# Allegro board SG2042_EVB_V2_0.brd (continued)
## Placement (name value [footprint] x y rotation side) (continued)
NOREF  -  []  -2 0 90 top
NOREF#2  -  []  -7 2.54 0 top
NOREF#3  -  [unnamed#2]  202.68 115.64 0 top
NOREF#4  -  []  249.65 304.41 0 top
NOREF#5  -  [unnamed#2]  161.66 96.61 0 top
NOREF#6  -  [unnamed#2]  173.08 86.04 0 top
NOREF#7  -  [unnamed#3]  -3.49 296.8 0 top
NOREF#8  -  [unnamed#2]  -4.5 299.8 0 top
NOREF#9  -  []  140.59 123.83 0 top
NOREF#10  -  [unnamed#3]  -3.49 8 0 top
NOREF#11  -  [unnamed#2]  248.34 294.8 0 top
NOREF#12  -  [unnamed#2]  153.25 297.77 0 top
NOREF#13  -  [unnamed#2]  -4.5 5 0 top
NOREF#14  -  [unnamed#2]  248.34 10 0 top
NOREF#15  -  []  37.97 7.11 0 top
NOREF#16  -  [unnamed#2]  132.06 67.01 0 top
NOREF#17  -  []  0 3 0 top
NOREF#18  -  []  155.83 123.83 0 top
NOREF#19  -  []  171.07 123.83 0 top
NOREF#20  -  [unnamed#3]  247.33 13 0 top
NOREF#21  -  [unnamed#2]  80.25 297.77 0 top
NOREF#22  -  [unnamed#3]  247.33 291.8 0 top
NOREF#23  -  [unnamed#3]  247.33 291.8 180 bottom
NOREF#24  -  [unnamed#3]  -3.49 296.8 180 bottom
NOREF#25  -  [unnamed#3]  247.33 13 180 bottom
NOREF#26  -  [unnamed#3]  -3.49 8 180 bottom
P_DDR_VDD_0V8  30MIL NC  [TP30]  106.4 163.7 0 top
P_VDDC  30MIL NC  [TP30]  119.18 271.78 0 top
Q403  T2N7002AK  [SOT23-3-H10]  110.95 37.69 0 top
Q501  S9013  [SOT-23]  46.46 298.04 90 top
Q2008  T2N7002AK_NC  [SOT23-3-H10]  108.76 40.23 180 top
Q2009  T2N7002AK  [SOT23-3-H10]  134.34 47.07 180 top
Q2010  T2N7002AK  [SOT23-3-H10]  129.44 50.98 0 top
Q2018  T2N7002AK  [SOT23-3-H10]  118.44 14.4 0 top
Q2020  T2N7002AK  [SOT23-3-H10]  121.84 14.4 0 top
Q2022  T2N7002AK  [SOT23-3-H10]  125.25 14.4 0 top
Q2024  T2N7002AK  [SOT23-3-H10]  128.65 14.4 0 top
Q2025  T2N7002AK  [SOT23-3-H10]  115.04 13.54 180 top
Q2026  T2N7002AK  [SOT23-3-H10]  108.23 13.54 180 top
Q2027  T2N7002AK  [SOT23-3-H10]  111.63 13.54 180 top
Q2028  T2N7002AK  [SOT23-3-H10]  104.83 13.54 180 top
Q2029  T2N7002AK  [SOT23-3-H10]  226.92 293.09 0 top
Q2030  T2N7002AK  [SOT23-3-H10]  223.52 292.23 180 top
Q2031  T2N7002AK  [SOT23-3-H10]  204.19 15.09 180 top
Q2032  T2N7002AK  [SOT23-3-H10]  207.59 15.95 0 top
Q2033  T2N7002AK  [SOT23-3-H10]  182.4 15.09 180 top
Q2034  T2N7002AK  [SOT23-3-H10]  185.8 15.95 0 top
Q2035  T2N7002AK  [SOT23-3-H10]  46.28 139.95 0 top
Q2036  T2N7002AK  [SOT23-3-H10]  42.88 139.09 180 top
R1  1K_1%  [R0402]  184.33 213.61 0 top
R2  1K_1%  [R0402]  183.95 199.82 270 top
R3  1K_1%  [R0402]  184.33 162.46 0 top
R4  1K_1%  [R0402]  184.33 163.32 0 top
R5  1K_1%  [R0402]  184.33 214.48 0 top
R6  1K_1%  [R0402]  174.75 199.82 270 top
R7  1K_1%  [R0402]  184.33 164.19 0 top
R8  1K_1%  [R0402]  184.33 165.05 0 top
R9  1K_1%  [R0402]  49.17 213.61 180 top
R10  1K_1%  [R0402]  49.56 199.82 270 top
R11  1K_1%  [R0402]  49.17 161.06 180 top
R12  1K_1%  [R0402]  49.17 161.93 180 top
R13  1K_1%  [R0402]  49.17 214.48 180 top
R14  1K_1%  [R0402]  58.78 199.82 270 top
R15  1K_1%  [R0402]  49.17 163.86 180 top
R16  1K_1%  [R0402]  49.17 164.72 180 top
R17  3.01K_1%  [R0402]  149.68 286.54 90 top
R18  3.01K_1%  [R0402]  148.82 286.54 90 top
R19  1K_1%  [R0402]  200.81 246.25 90 top
R20  1K_1%  [R0402]  200.81 242.52 90 top
R21  1K_1%  [R0402]  200.81 244.55 270 top
R22  1K_1%  [R0402]  200.81 248.28 270 top
R23  1K_1%  [R0402]  194.03 276.94 0 top
R24  1K_1%  [R0402]  194.03 280.39 0 top
R25  10K_1%  [R0402]  199.95 242.52 270 top
R26  10K_1%  [R0402]  199.95 246.25 270 top
R27  10K_1%  [R0402]  199.95 244.55 90 top
R28  10K_1%  [R0402]  199.95 248.28 90 top
R29  10K_1%  [R0402]  194.03 277.8 180 top
R30  10K_1%  [R0402]  194.03 281.25 180 top
R31  47K_1%  [R0402]  221.56 274.4 270 bottom
R32  47K_1%  [R0402]  220.7 274.4 270 bottom
R33  47K_1%  [R0402]  219.84 274.4 270 bottom
R34  47K_1%  [R0402]  222.43 274.4 270 bottom
R36  22  [R0402]  209.78 275.44 180 top
R38  4.7K_1%  [R0402]  211.48 279.76 0 top
R39  4.7K_1%  [R0402]  211.48 283.21 0 top
R40  10K_1%  [R0402]  220.34 279.76 180 bottom
R41  4.7K_1%  [R0402]  17.14 287.15 180 top
R42  47K_1%  [R0402]  221.72 276.89 0 bottom
R45  0R_1% NC  [R0402]  20.75 280.64 0 top
R46  22  [R0402]  17.14 282.68 0 top
R47  22  [R0402]  17.14 279.5 0 top
R48  10K_1%  [R0402]  18.77 279.1 90 top
R49  22  [R0402]  17.14 283.79 0 top
R50  22  [R0402]  17.14 284.91 0 top
R51  22  [R0402]  17.14 278.38 0 top
R52  0R_1%  [R0402]  22.86 277.67 90 top
R53  22  [R0402]  17.14 277.27 0 top
R54  22  [R0402]  17.14 286.03 0 top
R55  10K_1%  [R0402]  22.86 279.37 270 top
R58  2.49K  [R0402]  27.79 271.83 270 top
R61  22  [R0402]  34.54 268.63 0 top
R62  22  [R0402]  34.54 267.77 0 top
R63  22  [R0402]  34.54 266.9 0 top
R65  22  [R0402]  34.54 266.04 0 top
R66  22  [R0402]  34.54 265.18 0 top
R67  22  [R0402]  34.54 264.31 0 top
R68  22  [R0402]  28.83 263.3 90 top
R69  4.7K_1%  [R0402]  29.39 265.02 0 bottom
R70  4.7K_1%_NC  [R0402]  30.15 269.7 90 bottom
R71  4.7K_1%  [R0402]  29.51 271.4 180 bottom
R72  4.7K_1%_NC  [R0402]  36.58 264.31 180 top
R73  4.7K_1%  [R0402]  34.54 264.31 180 bottom
R74  4.7K_1%  [R0402]  36.58 268.63 180 top
R75  4.7K_1%_NC  [R0402]  34.54 268.63 180 bottom
R76  4.7K_1%  [R0402]  36.58 267.77 180 top
R77  4.7K_1%_NC  [R0402]  34.54 267.77 180 bottom
R78  4.7K_1%  [R0402]  36.58 266.9 180 top
R79  4.7K_1%_NC  [R0402]  34.54 266.9 180 bottom
R80  4.7K_1%_NC  [R0402]  36.58 266.04 180 top
R81  4.7K_1%  [R0402]  34.54 266.04 180 bottom
R82  4.7K_1%  [R0402]  36.58 265.18 180 top
R83  4.7K_1%_NC  [R0402]  34.54 265.18 180 bottom
R84  4.7K_1%  [R0402]  31.45 271.83 270 top
R85  4.7K_1%  [R0402]  31.62 271.4 180 bottom
R87  1K_1%  [R0402]  27.91 247.47 90 top
R88  0R_1%  [R0402]  27.05 247.47 90 top
R89  1K_1%  [R0402]  4.09 267.49 90 top
R90  0R_1%  [R0402]  4.95 267.49 90 top
R91  75R  [R0402]  9.96 249.5 270 bottom
R92  75R  [R0402]  13.77 249.5 270 bottom
R93  75R  [R0402]  17.58 249.5 270 bottom
R94  75R  [R0402]  21.39 249.5 270 bottom
R95  0R_1%  [R0402]  28.93 271.83 90 top
R98  4.7K_1%  [R0402]  230.96 277.95 90 top
R99  4.7K_1%  [R0402]  230.96 275.87 90 top
R100  4.7K_1%  [R0402]  230.96 273.79 90 top
R101  4.7K_1%  [R0402]  230.96 266.88 90 top
R104  1K_1%  [R0402]  41.43 276.94 180 top
R105  0R_1%  [R0402]  230.96 280.04 270 top
R106  1K_1%_NC  [R0402]  41.43 278.66 180 top
R107  4.7K_1%  [R0402]  112.8 266.45 0 top
R108  1K_1%  [R0402]  44.63 276.94 180 top
R109  1K_1%_NC  [R0402]  41.43 280.39 180 top
R110  1K_1%_NC  [R0402]  197.28 276.94 0 top
R111  1K_1%  [R0402]  41.43 282.12 180 top
R112  1K_1%  [R0402]  44.63 280.39 180 top
R113  1K_1%  [R0402]  44.63 282.12 180 top
R114  1K_1%_NC  [R0402]  197.28 280.39 0 top
R115  1K_1%  [R0402]  194.03 278.66 0 top
R116  1K_1%  [R0402]  44.63 278.66 180 top
R117  1K_1%_NC  [R0402]  187.53 278.66 0 top
R118  0R_1% NC  [R0402]  231.83 269.21 270 top
R119  10K_1%  [R0402]  41.43 277.8 0 top
R120  10K_1%  [R0402]  44.63 281.25 0 top
R121  10K_1%  [R0402]  44.63 277.8 0 top
R122  10K_1%  [R0402]  41.43 282.98 0 top
R123  10K_1%  [R0402]  44.63 282.98 0 top
R124  22  [R0402]  114.76 259.51 270 top
R125  10K_1%  [R0402]  44.63 279.53 0 top
R126  10K_1%  [R0402]  41.43 281.25 0 top
R127  10K_1%  [R0402]  41.43 279.53 0 top
R128  10K_1%  [R0402]  197.28 277.8 180 top
R129  10K_1%  [R0402]  194.03 279.53 180 top
R130  10K_1%  [R0402]  197.28 281.25 180 top
R131  10K_1%  [R0402]  187.53 279.53 180 top
R132  22  [R0402]  37.41 279.53 0 top
R133  4.7K_1% NC  [R0402]  230.1 277.95 270 top
R134  22  [R0402]  37.41 278.66 0 top
R135  22  [R0402]  44.7 286.49 0 top
R136  4.7K_1% NC  [R0402]  230.96 271.5 270 top
R137  22  [R0402]  37.41 277.8 0 top
R138  4.7K_1% NC  [R0402]  230.96 269.21 270 top
R139  4.7K_1%  [R0402]  108.18 266.45 0 top
R141  22  [R0402]  47.68 250.22 180 top
R142  22  [R0402]  47.68 260.38 180 top
R143  1K_1%_NC  [R0402]  187.53 276.94 0 top
R144  22  [R0402]  110.13 259.51 270 top
R145  22  [R0402]  47.68 254.28 180 top
R147  1K_1%_NC  [R0402]  187.53 280.39 0 top
R148  22  [R0402]  47.68 258.34 180 top
R150  1K_1%_NC  [R0402]  190.78 276.94 0 top
R151  22  [R0402]  47.68 252.25 180 top
R153  1K_1%_NC  [R0402]  190.78 280.39 0 top
R154  22  [R0402]  47.68 256.31 180 top
R156  1K_1%_NC  [R0402]  197.28 278.66 0 top
R159  22  [R0402]  230.96 264.59 270 top
R160  22  [R0402]  229.24 277.95 270 top
R161  4.7K_1%  [R0402]  125.02 266.45 0 top
R162  22  [R0402]  230.1 271.5 270 top
R163  22  [R0402]  230.1 275.87 270 top
R167  10K_1%  [R0402]  187.53 277.8 180 top
R168  10K_1%  [R0402]  187.53 281.25 180 top
R169  10K_1%  [R0402]  190.78 277.8 180 top
R170  10K_1%  [R0402]  190.78 281.25 180 top
R171  10K_1%  [R0402]  197.28 279.53 180 top
R172  22  [R0402]  230.1 266.88 270 top
R173  22  [R0402]  135.25 23.42 180 top
R174  22  [R0402]  47.68 263.42 180 top
R180  22  [R0402]  230.1 273.79 270 top
R184  22  [R0402]  47.68 273.58 180 top
R185  22  [R0402]  47.68 267.49 180 top
R186  22  [R0402]  126.03 259.89 180 top
R188  22  [R0402]  47.68 271.55 180 top
R189  22  [R0402]  135.25 24.28 180 top
R190  22  [R0402]  47.68 265.46 180 top
R191  22  [R0402]  47.68 269.52 180 top
R196  4.7K_1%  [R0402]  42.98 257.53 90 bottom
R197  4.7K_1%  [R0402]  42.11 257.53 90 bottom
R198  4.7K_1%  [R0402]  41.25 257.53 90 bottom
R199  4.7K_1%  [R0402]  40.39 257.53 90 bottom
R200  4.7K_1%  [R0402]  39.52 257.53 90 bottom
R201  4.7K_1%  [R0402]  38.66 257.53 90 bottom
R202  4.7K_1%  [R0402]  37.8 257.53 90 bottom
R205  22  [R0402]  222.05 132.97 90 top
R206  22  [R0402]  221.18 132.97 90 top
R207  22  [R0402]  200.33 262.25 180 top
R208  4.7K_1%  [R0402]  36.93 257.53 90 bottom
R209  22  [R0402]  200.33 264.8 180 top
R210  22  [R0402]  200.33 267.33 180 top
R211  22  [R0402]  200.33 269.88 180 top
R212  22  [R0402]  200.33 272.42 180 top
R215  22  [R0402]  200.33 249.56 180 top
R216  22  [R0402]  218.59 132.97 90 top
R217  22  [R0402]  200.33 252.09 180 top
R218  22  [R0402]  217.73 132.97 90 top
R219  22  [R0402]  200.33 254.63 180 top
R220  22  [R0402]  200.33 257.18 180 top
R221  22  [R0402]  223.77 114.48 90 top
R222  22  [R0402]  200.33 259.71 180 top
R223  22  [R0402]  222.91 114.48 90 top
R224  22  [R0402]  222.05 114.48 90 top
R225  22  [R0402]  200.96 233.81 180 top
R230  22  [R0402]  221.18 114.48 90 top
R231  22  [R0402]  200.96 234.67 180 top
R232  22  [R0402]  200.96 235.53 180 top
R233  22  [R0402]  220.32 114.48 90 top
R234  22  [R0402]  200.96 236.4 180 top
R235  10K_1%  [R0402]  197.1 181.74 0 top
R236  22  [R0402]  219.46 114.48 90 top
R237  22  [R0402]  200.96 237.26 180 top
R238  22  [R0402]  218.59 114.48 90 top
R239  22  [R0402]  200.96 238.12 180 top
R240  22  [R0402]  217.73 114.48 90 top
R241  22  [R0402]  200.96 238.99 180 top
R242  22  [R0402]  200.96 239.85 180 top
R243  22  [R0402]  42.98 257.53 90 top
R244  22  [R0402]  206.53 234.34 90 top
R246  22  [R0402]  42.11 257.53 90 top
R247  22  [R0402]  41.25 257.53 90 top
R248  22  [R0402]  40.39 257.53 90 top
R249  22  [R0402]  39.52 257.53 90 top
R252  22  [R0402]  38.66 257.53 90 top
R254  22  [R0402]  37.8 257.53 90 top
R255  22  [R0402]  36.93 257.53 90 top
R257  0R_1%  [R0402]  115.24 171.83 90 top
R258  10K_1%  [R0402]  115.24 173.53 270 top
R266  22  [R0402]  114 106.76 0 top
R267  22  [R0402]  114 107.62 0 top
R268  22  [R0402]  114 108.74 0 top
R269  22  [R0402]  114 109.6 0 top
R270  22  [R0402]  114 110.72 0 top
R271  22  [R0402]  114 111.58 0 top
R272  4.7K_1% NC  [R0402]  105.61 96.67 0 top
R274  22  [R0402]  114 112.7 0 top
R275  22  [R0402]  114 113.56 0 top
R276  4.7K_1%  [R0402]  103.58 96.67 0 top
R277  0R_1%  [R0402]  107.98 104.55 0 top
R278  0R_1%  [R0402]  106.27 104.55 180 top
R280  22  [R0402]  102.26 108.74 180 top
R281  22  [R0402]  102.26 109.6 180 top
R282  22  [R0402]  102.26 106.76 180 top
R283  22  [R0402]  102.26 107.62 180 top
R284  22  [R0402]  102.26 110.72 180 top
R285  22  [R0402]  102.26 111.58 180 top
R286  49.9R_1%  [R0402]  99.85 111.58 180 top
R287  49.9R_1%  [R0402]  99.85 110.72 180 top
R288  49.9R_1%  [R0402]  60.96 87.48 0 top
R289  49.9R_1%  [R0402]  59.26 87.48 180 top
R290  49.9R_1%  [R0402]  60.96 128.12 0 top
R291  49.9R_1%  [R0402]  59.26 128.12 180 top
R292  49.9R_1%  [R0402]  116.08 114.38 90 top
R293  49.9R_1%  [R0402]  116.08 112.67 270 top
R294  49.9R_1%  [R0402]  117.5 111.71 90 top
R295  49.9R_1%  [R0402]  117.5 110.01 270 top
R296  49.9R_1%  [R0402]  116.2 109.6 0 top
R297  49.9R_1%  [R0402]  116.2 108.74 0 top
R298  49.9R_1%  [R0402]  134.49 90.02 270 top
R299  49.9R_1%  [R0402]  134.49 91.72 90 top
R304  4.7K_1%_NC  [R0402]  226.14 176.5 90 top
R306  10R_1%  [R0402]  120.42 157.18 180 top
R307  100K_1%_NC  [R0402]  120.42 155.45 180 top
R310  0R_1%  [R0402]  122.48 157.18 0 top
R311  1K_1%  [R0402]  122.91 155.88 270 top
R313  13K_1%_NC  [R0402]  124.21 156.29 180 top
R324  200R_1%  [R0402]  228.3 233.43 270 top
R339  10R_1%  [R0402]  126.62 151.71 180 top
R341  100K_1%_NC  [R0402]  126.62 149.99 180 top
R344  40.2K_1%  [R0402]  129.11 150.42 270 top
R353  10R_1%  [R0402]  227 255.75 270 top
R354  100K_1%_NC  [R0402]  228.73 255.75 270 top
R357  40.2K_1%  [R0402]  228.3 258.24 0 top
R443  10K_1%  [R0402]  191.72 229.9 270 top
R445  10K_1%  [R0402]  189.81 221.54 180 top
R449  10K_1%  [R0402]  189.81 222.4 0 top
R450  0R_1%  [R0402]  193.22 223.27 180 top
R470  4.7K_1%  [R0402]  122.43 265.58 0 top
R471  22  [R0402]  121.41 259.89 180 top
R472  22  [R0402]  207.39 234.34 90 top
R473  22  [R0402]  208.25 234.34 90 top
R474  22  [R0402]  209.12 234.34 90 top
R475  22  [R0402]  209.98 234.34 90 top
R483  1K_1%  [R0402]  130.2 24.61 270 bottom
R484  1K_1%  [R0402]  129.34 24.61 270 bottom
R489  1K_1%  [R0402]  185.67 280.67 270 top
R490  1K_1%  [R0402]  184.81 280.67 270 top
R491  1K_1%  [R0402]  185.67 278.59 270 top
R492  1K_1%  [R0402]  184.81 278.59 270 top
R493  1K_1%  [R0402]  47.83 280.67 270 top
R494  1K_1%  [R0402]  48.69 280.67 270 top
R495  1K_1%  [R0402]  47.83 278.59 270 top
R496  1K_1%  [R0402]  48.69 278.59 270 top
R576  4.7K_1%  [R0402]  127.08 49.05 270 top
R580  10K_1%  [R0402]  48.69 297.51 90 top
R588  10K_1%  [R0402]  46.51 301.5 180 top
R593  22  [R0402]  49.56 297.51 90 top
R597  22  [R0402]  69.44 146.89 90 top
R598  22  [R0402]  70.31 146.89 90 top
R599  22  [R0402]  71.17 146.89 90 top
R600  22  [R0402]  72.03 146.89 90 top
R655  10K_1%  [R0402]  42.34 229.9 270 top
R657  10K_1%  [R0402]  40.44 221.54 180 top
R659  10K_1%  [R0402]  40.44 222.4 0 top
R660  0R_1%  [R0402]  43.84 223.27 180 top
R674  100K_1%_NC  [R0402]  111.81 145.69 270 top
R675  1K_1%  [R0402]  110.95 148.31 90 top
R676  10K_1%  [R0402]  119.02 150.72 90 top
R677  30.1K_1%  [R0402]  111.81 147.42 270 top
R679  10K_1%  [R0402]  110.95 145.69 90 top
R680  5.6K_1%  [R0402]  110.52 151 0 top
R682  0R_1%  [R0402]  110.52 150.14 0 top
R685  5mR_1%  [R0805]  115.09 168.94 90 top
R686  5mR_1%  [R0805]  110.39 168.94 90 top
R701  240R_1%  [R0201]  138.51 208.53 0 bottom
R1141  10K_1%  [R0402]  15.88 156.51 90 top
R1142  10R_1%  [R0402]  211.84 213.39 180 top
R1143  100K_1%  [R0402]  211.84 212.52 180 top
R1144  75K_1%  [R0402]  213.89 213.39 0 top
R1145  40.2K_1%  [R0402]  214.33 212.09 270 top
R1146  13K_1%  [R0402]  215.62 212.5 180 top
R1214  22  [R0402]  33.02 287.91 0 top
R1215  22  [R0402]  33.02 289.64 0 top
R1216  22  [R0402]  33.02 291.16 0 top
R1217  22  [R0402]  35.66 291.16 0 top
R1218  22  [R0402]  35.66 290.3 0 top
R1219  22  [R0402]  35.66 288.77 0 top
R1220  22  [R0402]  201.68 242.52 270 top
R1221  22  [R0402]  201.68 246.25 270 top
R1222  22  [R0402]  200.33 266.06 180 top
R1223  22  [R0402]  200.33 253.37 180 top
R1224  22  [R0402]  200.33 255.91 180 top
R1225  22  [R0402]  200.33 258.44 180 top
R1226  22  [R0402]  200.33 260.99 180 top
R1227  22  [R0402]  200.33 263.52 180 top
R1228  22  [R0402]  201.68 244.55 90 top
R1229  22  [R0402]  201.68 248.28 90 top
R1230  22  [R0402]  209.14 262.69 270 top
R1231  22  [R0402]  207.87 250.9 90 top
R1232  22  [R0402]  206.6 250.9 90 top
R1233  22  [R0402]  207.87 262.69 270 top
R1234  22  [R0402]  205.33 250.9 90 top
R1235  22  [R0402]  206.6 262.69 270 top
R1246  22  [R0402]  209.78 278.03 180 top
R1247  22  [R0402]  209.78 277.16 180 top
R1248  22  [R0402]  209.78 276.3 180 top
R1249  22  [R0402]  209.78 282.35 180 top
R1250  22  [R0402]  209.78 278.89 180 top
R1251  22  [R0402]  209.78 280.62 180 top
R1252  22  [R0402]  209.78 281.48 180 top
R1253  22  [R0402]  209.78 283.21 180 top
R1254  22  [R0402]  209.78 279.76 180 top
R1263  10K_1%  [R0402]  210.01 262.69 90 top
R1264  10K_1%  [R0402]  205.74 262.69 90 top
R1265  4.7K_1% NC  [R0402]  204.88 262.69 270 top
R1266  10K_1% NC  [R0402]  208.74 250.9 270 top
R1267  22  [R0402]  33.02 288.77 0 top
R1268  22  [R0402]  33.02 286.18 0 top
R1305  100K_1%  [R0402]  43.21 229.9 90 top
R1306  100K_1%  [R0402]  192.58 229.9 90 top
R1311  0R_1%  [R0402]  42.98 232.71 270 top
R1312  0R_1%  [R0402]  40.39 232.71 270 top
R1332  0R_1%  [R0402]  42.11 232.71 270 top
R1334  0R_1%  [R0402]  41.25 232.71 270 top
R1335  0R_1%  [R0402]  39.52 232.71 270 top
R1348  10R_1%  [R0402]  227 262.38 270 top
R1349  100K_1%_NC  [R0402]  228.73 262.38 270 top
R1350  75K_1%  [R0402]  227 264.44 90 top
R1351  40.2K_1%  [R0402]  228.3 264.87 0 top
R1352  13K_1%  [R0402]  227.89 266.17 270 top
R2021  0R_1%  [R0402]  138.73 25.02 0 top
R2023  22  [R0402]  138.73 30.1 0 top
R2024  22  [R0402]  138.73 32.64 0 top
R2025  0R_1%  [R0402]  138.73 27.56 0 top
R2037  10K_1%  [R0402]  118.59 29.84 270 bottom
R2054  0R_1%  [R0402]  134.75 31.75 180 top
R2056  0R_1%  [R0402]  112.7 40.51 0 top
R2057  0R_1%  [R0402]  134.75 41.25 180 top
R2058  0R_1%  [R0402]  112.7 42.24 0 top
R2059  0R_1%  [R0402]  112.7 41.38 0 top
R2060  0R_1%  [R0402]  112.7 43.1 0 top
R2066  4.7K_1%  [R0402]  134.75 33.48 180 bottom
R2067  4.7K_1%  [R0402]  134.75 32.61 180 bottom
R2068  0R_1%  [R0402]  134.75 37.8 0 top
R2069  0R_1%  [R0402]  134.75 36.93 0 top
R2070  0R_1%  [R0402]  134.75 36.07 0 top
R2071  0R_1%  [R0402]  134.75 35.2 0 top
R2072  0R_1%  [R0402]  134.75 40.39 0 top
R2073  0R_1%  [R0402]  134.75 34.34 0 top
R2074  0R_1%  [R0402]  134.75 33.48 0 top
R2075  0R_1%  [R0402]  134.75 32.61 0 top
R2076  0R_1%  [R0402]  134.75 42.98 0 top
R2077  0R_1%  [R0402]  134.75 42.11 0 top
R2078  0R_1%  [R0402]  134.75 29.16 0 top
R2079  0R_1%  [R0402]  134.75 28.3 0 top
R2080  200R_1%  [R0402]  128.5 48.36 90 top
R2081  0R_1%  [R0402]  186.36 162.46 180 top
R2082  0R_1%  [R0402]  186.36 161.59 180 top
R2083  0R_1%  [R0402]  186.36 163.32 180 top
R2084  0R_1%  [R0402]  186.36 160.73 180 top
R2085  0R_1%  [R0402]  47.17 162.46 0 top
R2086  0R_1%  [R0402]  47.17 160.53 0 top
R2087  0R_1%  [R0402]  47.17 163.32 0 top
R2088  0R_1%  [R0402]  47.17 159.66 0 top
R2091  0R_1%  [R0402]  121.59 46.66 90 top
R2092  0R_1%  [R0402]  122.45 46.66 90 top
R2093  10K_1%  [R0402]  121.59 46.66 90 bottom
R2094  10K_1%  [R0402]  122.45 46.66 90 bottom
R2098  10K_1%  [R0402]  120.42 156.31 180 top
R2099  10K_1%  [R0402]  126.62 150.85 180 top
R2100  10K_1%  [R0402]  227.86 255.75 270 top
R2101  10K_1%  [R0402]  227.86 262.38 270 top
R2104  0R_1%  [R0402]  112.7 39.65 0 top
R2106  0R_1%  [R0402]  134.75 43.84 0 top
R2111  10K_1%  [R0402]  108.61 112.83 180 bottom
R2112  0R_1% NC  [R0402]  107.34 112.42 270 bottom
R2113  10K_1%_NC  [R0402]  105.61 112.42 90 bottom
R2114  0R_1%  [R0402]  106.48 112.42 270 bottom
R2117  49.9R_1%  [R0402]  107.98 105.41 180 top
R2118  49.9R_1%  [R0402]  106.27 105.41 0 top
R2127  10K_1%_NC  [R0402]  18.77 285.62 90 top
R2180  0R_1% NC  [R0402]  203.4 258.7 90 top
R2183  10K_1%  [R0402]  110.52 147.02 180 top
R2184  22  [R0402]  41.25 246.2 270 top
R2185  22  [R0402]  40.39 246.2 270 top
R2186  110K_1%  [R0402]  128.68 151.71 0 top
R2187  32.4K_1%  [R0402]  130.4 150.83 180 top
R2188  110K_1%  [R0402]  227 257.81 90 top
R2189  32.4K_1%  [R0402]  227.89 259.54 270 top
R2190  4.7K_1%  [R0402]  42.98 248.89 90 bottom
R2191  4.7K_1%  [R0402]  42.11 248.89 90 bottom
R2192  4.7K_1%  [R0402]  41.25 248.89 90 bottom
R2193  4.7K_1%  [R0402]  40.39 248.89 90 bottom
R2194  4.7K_1%  [R0402]  39.52 248.89 90 bottom
R2195  4.7K_1%  [R0402]  38.66 248.89 90 bottom
R2196  4.7K_1%  [R0402]  37.8 248.89 90 bottom
R2197  4.7K_1%  [R0402]  36.93 248.89 90 bottom
R2198  0.5m_0.5%  [R2512]  225.43 226.31 0 top
R2199  22  [R0402]  223.11 228.98 180 top
R2200  22  [R0402]  223.37 233.25 270 top
R2203  22  [R0402]  206.53 244.3 90 top
R2204  22  [R0402]  207.39 244.3 90 top
R2205  22  [R0402]  208.25 244.3 90 top
R2206  22  [R0402]  209.12 244.3 90 top
R2207  22  [R0402]  209.98 244.3 90 top
R2208  22  [R0402]  212.09 122.78 180 top
R2209  22  [R0402]  211.71 244.3 90 top
R2211  22  [R0402]  191.01 233.81 180 top
R2212  22  [R0402]  191.01 234.67 180 top
R2213  22  [R0402]  191.01 235.53 180 top
R2214  22  [R0402]  191.01 236.4 180 top
R2215  22  [R0402]  191.01 237.26 180 top
R2216  22  [R0402]  191.01 238.12 180 top
R2217  22  [R0402]  191.01 238.99 180 top
R2218  22  [R0402]  191.01 239.85 180 top
R2219  22  [R0402]  223.77 104.52 270 top
R2220  22  [R0402]  222.91 104.52 270 top
R2221  22  [R0402]  222.05 104.52 270 top
R2222  22  [R0402]  221.18 104.52 270 top
R2223  22  [R0402]  220.32 104.52 270 top
R2224  22  [R0402]  219.46 104.52 270 top
R2225  22  [R0402]  218.59 104.52 270 top
R2226  22  [R0402]  217.73 104.52 270 top
R2227  22  [R0402]  223.77 123.01 270 top
R2228  22  [R0402]  222.91 123.01 270 top
R2229  22  [R0402]  222.05 123.01 270 top
R2230  22  [R0402]  221.18 123.01 270 top
R2233  22  [R0402]  218.59 123.01 270 top
R2234  22  [R0402]  217.73 123.01 270 top
R2241  10K_1%_NC  [R0402]  183.95 230.43 270 top
R2242  10K_1%_NC  [R0402]  174.7 230.43 270 top
R2243  10K_1%_NC  [R0402]  49.56 230.43 270 top
R2244  10K_1%_NC  [R0402]  58.78 230.43 270 top
R2247  22  [R0402]  72.9 156.84 90 top
R2248  22  [R0402]  73.76 156.84 90 top
R2250  0R_1%  [R0402]  129.36 46.66 90 top
R2251  0R_1%  [R0402]  128.5 46.66 90 top
R2252  0R_1%  [R0402]  123.32 46.66 90 top
R2253  0R_1%  [R0402]  124.18 46.66 90 top
R2254  4.7K_1%  [R0402]  72.9 158.88 90 top
R2255  4.7K_1%  [R0402]  73.76 158.88 90 top
R2276  22  [R0402]  42.98 243.36 270 top
R2277  22  [R0402]  42.98 246.2 270 top
R2278  22  [R0402]  42.11 246.2 270 top
R2280  22  [R0402]  40.39 243.36 270 top
R2281  22  [R0402]  38.66 243.36 270 top
R2282  22  [R0402]  37.85 276.53 270 top
R2299  22  [R0402]  33.02 287.05 0 top
R2301  10K_1%  [R0402]  190.78 278.66 0 top
R2302  10K_1%  [R0402]  223.6 176.5 270 top
R2303  0R_1%  [R0402]  129.34 24.61 90 top
R2304  0R_1%  [R0402]  130.2 24.61 90 top
R2306  22  [R0402]  212.57 244.3 90 top
R2331  0R_1%  [R0402]  122.43 24.61 90 top
R2332  0R_1%  [R0402]  123.29 24.61 90 top
R2333  0R_1%  [R0402]  124.16 24.61 90 top
R2334  0R_1%  [R0402]  125.02 24.61 90 top
R2335  0R_1%  [R0402]  125.88 24.61 90 top
R2336  0R_1%  [R0402]  126.75 24.61 90 top
R2337  0R_1%  [R0402]  127.61 24.61 90 top
R2338  0R_1%  [R0402]  128.47 24.61 90 top
R2340  10K_1%  [R0402]  116.05 34.24 0 bottom
R2341  10K_1% NC  [R0402]  119.86 43.31 270 bottom
R2342  10K_1% NC  [R0402]  124.08 27.97 90 bottom
R2343  10K_1%  [R0402]  120.73 43.31 90 bottom
R2344  10K_1%  [R0402]  123.22 27.97 270 bottom
R2383  240R_1%  [R0201]  138.48 233.55 0 bottom
R2384  240R_1%  [R0201]  95 208.53 180 bottom
R2385  240R_1%  [R0201]  95.02 233.55 180 bottom
R2386  22  [R0402]  69.44 156.84 90 top
R2387  22  [R0402]  70.31 156.84 90 top
R2388  22  [R0402]  71.17 156.84 90 top
R2389  22  [R0402]  72.03 156.84 90 top
R2393  0.5m_0.5%  [R2512]  225.43 236.7 0 top
R2440  4.7K_1%  [R0402]  113.13 38.35 270 top
R2441  200R_1%  [R0402]  108.76 37.06 270 top
R2442  4.7K_1%  [R0402]  134.75 44.7 0 top
R2443  200R_1%  [R0402]  135.28 49.86 270 top
R2445  0R_1%  [R0402]  127.64 46.66 90 top
R2446  200R_1%  [R0402]  109.7 42.85 270 top
R2466  5mR_1%  [R0805]  112.04 168.94 90 top
R2467  5mR_1%  [R0805]  116.74 168.94 90 top
R2470  22  [R0402]  20.75 162.59 0 top
R2471  22  [R0402]  20.75 163.45 0 top
R2474  22  [R0402]  212.57 234.34 90 top
R2490  0R_1%  [R0402]  134.75 30.89 0 top
R2491  10K_1%  [R0402]  134.75 30.89 0 bottom
R2495  100R_1%  [R0402]  123.29 166.98 0 top
R2514  10R_1%  [R0402]  20.75 115.37 90 top
R2515  100K_1%_NC  [R0402]  19.02 115.37 90 top
R2516  75K_1%  [R0402]  20.75 113.31 270 top
R2517  40.2K_1%  [R0402]  19.46 112.88 180 top
R2518  13K_1%  [R0402]  19.86 111.58 90 top
R2520  0R_1%  [R0402]  38.66 232.71 270 top
R2521  0R_1%  [R0402]  37.8 232.71 270 top
R2522  0R_1%  [R0402]  36.93 232.71 270 top
R2525  22  [R0402]  102.26 112.7 180 top
R2526  22  [R0402]  102.26 113.56 180 top
R2527  49.9R_1%  [R0402]  99.85 113.82 180 top
R2528  49.9R_1%  [R0402]  99.85 112.45 180 top
R2529  0R_1%  [R0402]  194.67 299.9 0 top
R2530  100  [R0402]  121.44 271.37 90 bottom
R2531  0R_1%  [R0402]  121.44 270.56 270 bottom
R2532  1K  [R0402]  194.67 299.03 0 top
R2533  0R_1%  [R0402]  120.57 270.56 270 bottom
R2534  100  [R0402]  120.57 271.37 90 bottom
R2535  10K_1%  [R0402]  134.75 29.16 0 bottom
R2536  100  [R0402]  206.35 297.48 90 top
R2537  100  [R0402]  206.65 288.42 270 top
R2538  40.2K_1%  [R0402]  192.48 293.73 270 top
R2539  10K_1%  [R0402]  193.34 293.73 90 top
R2544  1.8K  [R0402]  190.32 294.89 180 top
R2545  10K_1%  [R0402]  194.67 296.44 0 top
R2547  1.8K  [R0402]  190.32 295.76 180 top
R2548  1.8K  [R0402]  190.32 296.62 180 top
R2551  4.7K_1%  [R0402]  205.89 295.35 180 top
R2555  100  [R0402]  196.44 288.42 270 top
R2556  10K_1%  [R0402]  134.75 28.3 0 bottom
R2557  0R_1%  [R0402]  194.67 298.17 0 top
R2562  1K  [R0402]  194.67 297.31 0 top
R2563  100  [R0402]  204.95 288.42 270 top
R2564  100  [R0402]  203.25 288.42 270 top
R2565  100  [R0402]  201.55 288.42 270 top
R2566  100  [R0402]  199.85 288.42 270 top
R2567  100  [R0402]  198.15 288.42 270 top
R2568  0R_1%  [R0402]  194.67 295.02 0 top
